# Altium PCB BoardB.PcbDoc (part 1 of 2)
Units mil, origin at the board's own origin, x right, y up, seen from the top; angles counter-clockwise.
Board outline 1511.25 x 1511.25 mil, 6 copper layers (1 Top (Sig/Pwr), 2 (GND), 3 (Sig/Pwr), 4 (GND/Sig), 5 (GND), 6 Bottom (Sig/Pwr)), stack 68.504 mil thick; 133 components, 105 nets, 647 pads, 439 vias.
Unrouted connection lines stored in the file: 226.
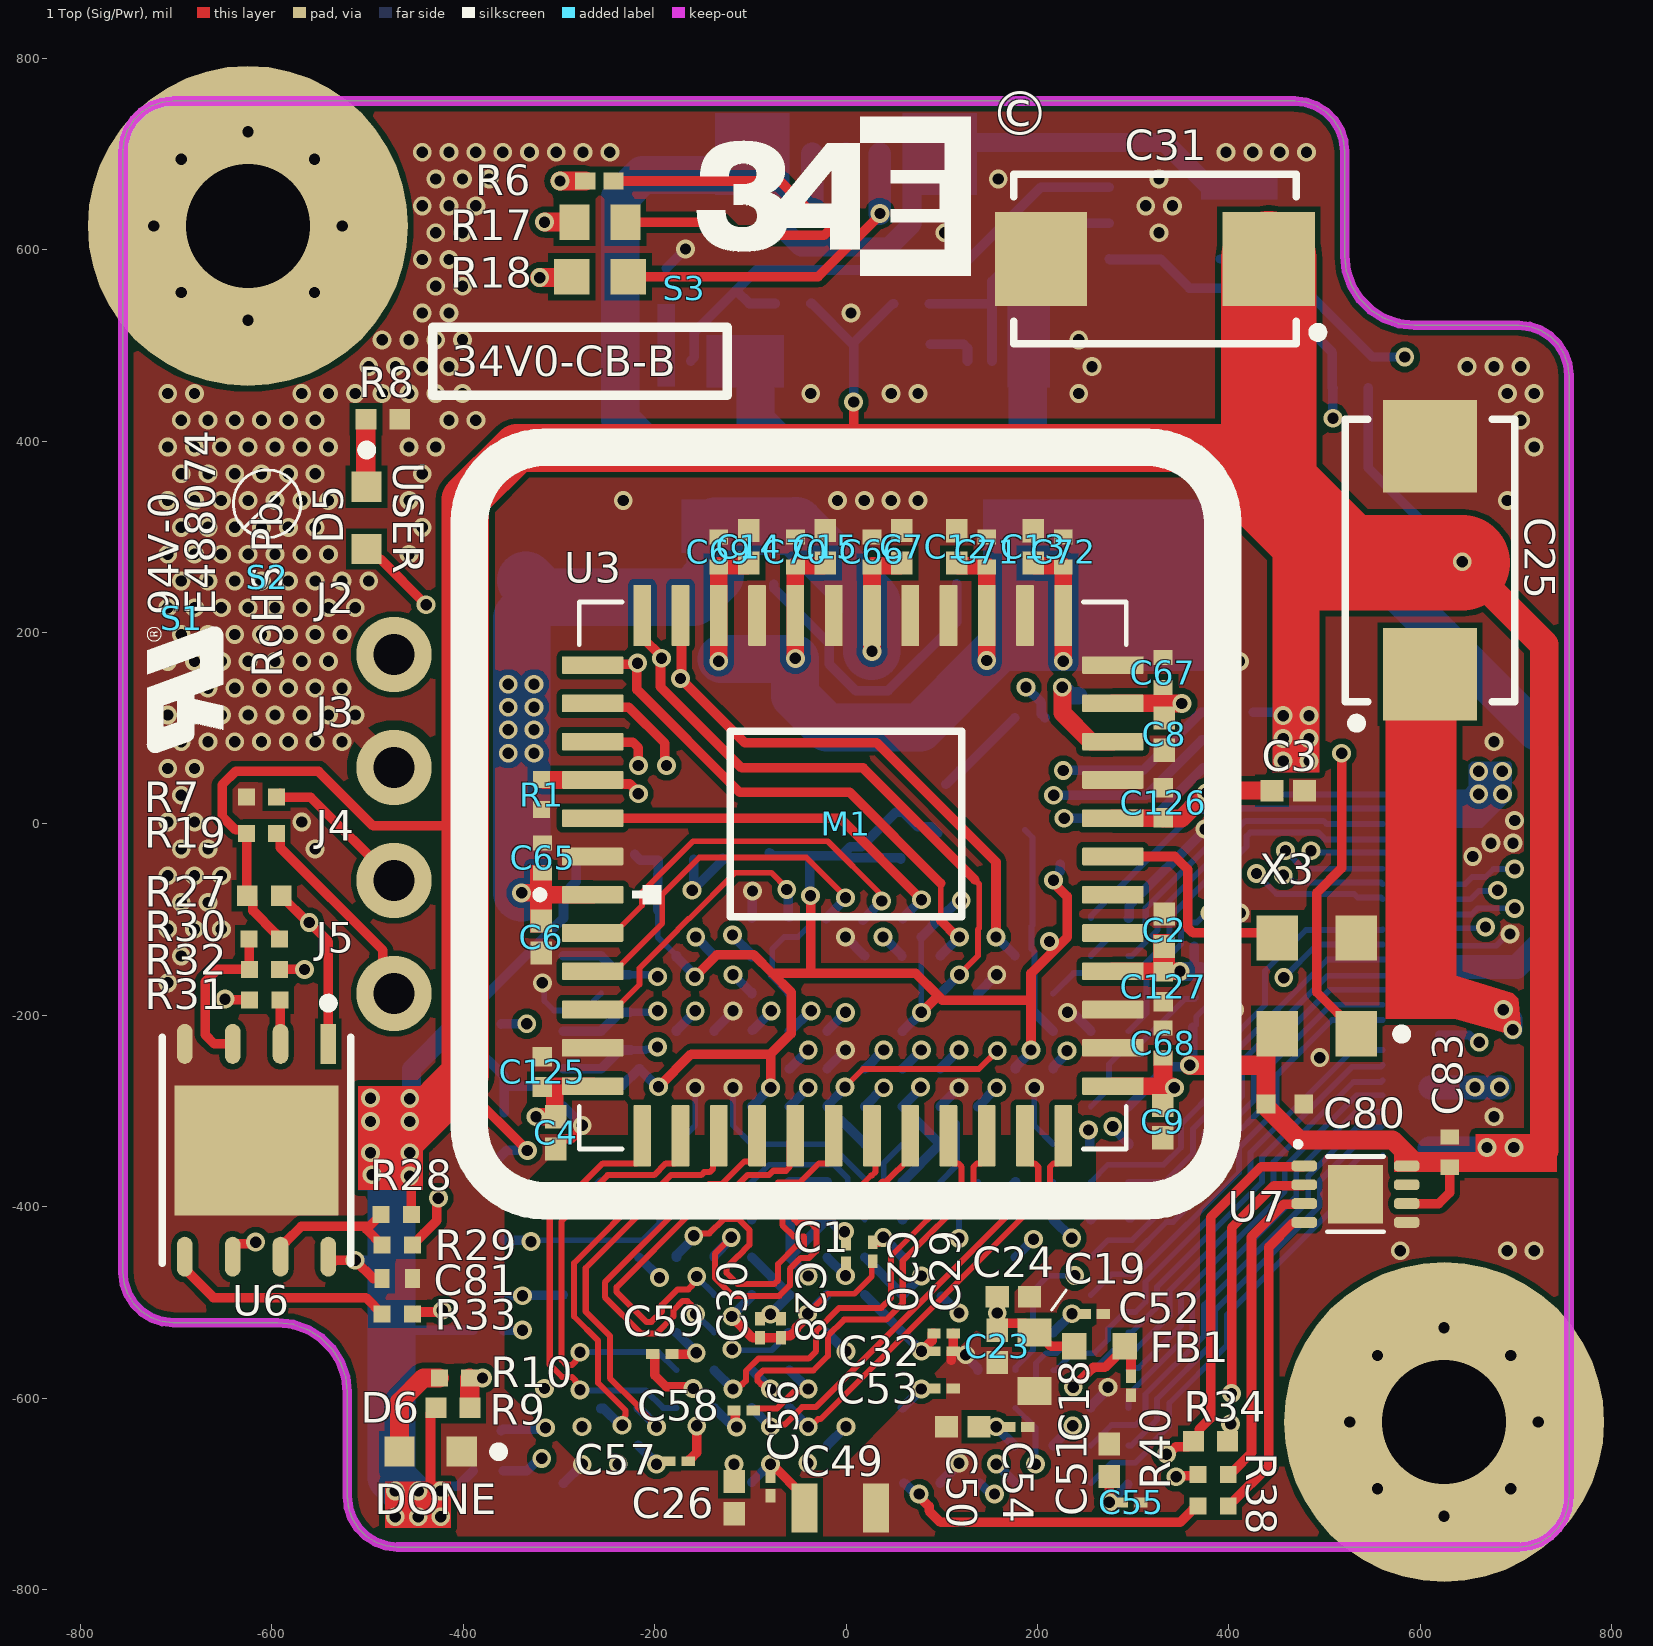
[diagram p0: 1 Top (Sig/Pwr) view]
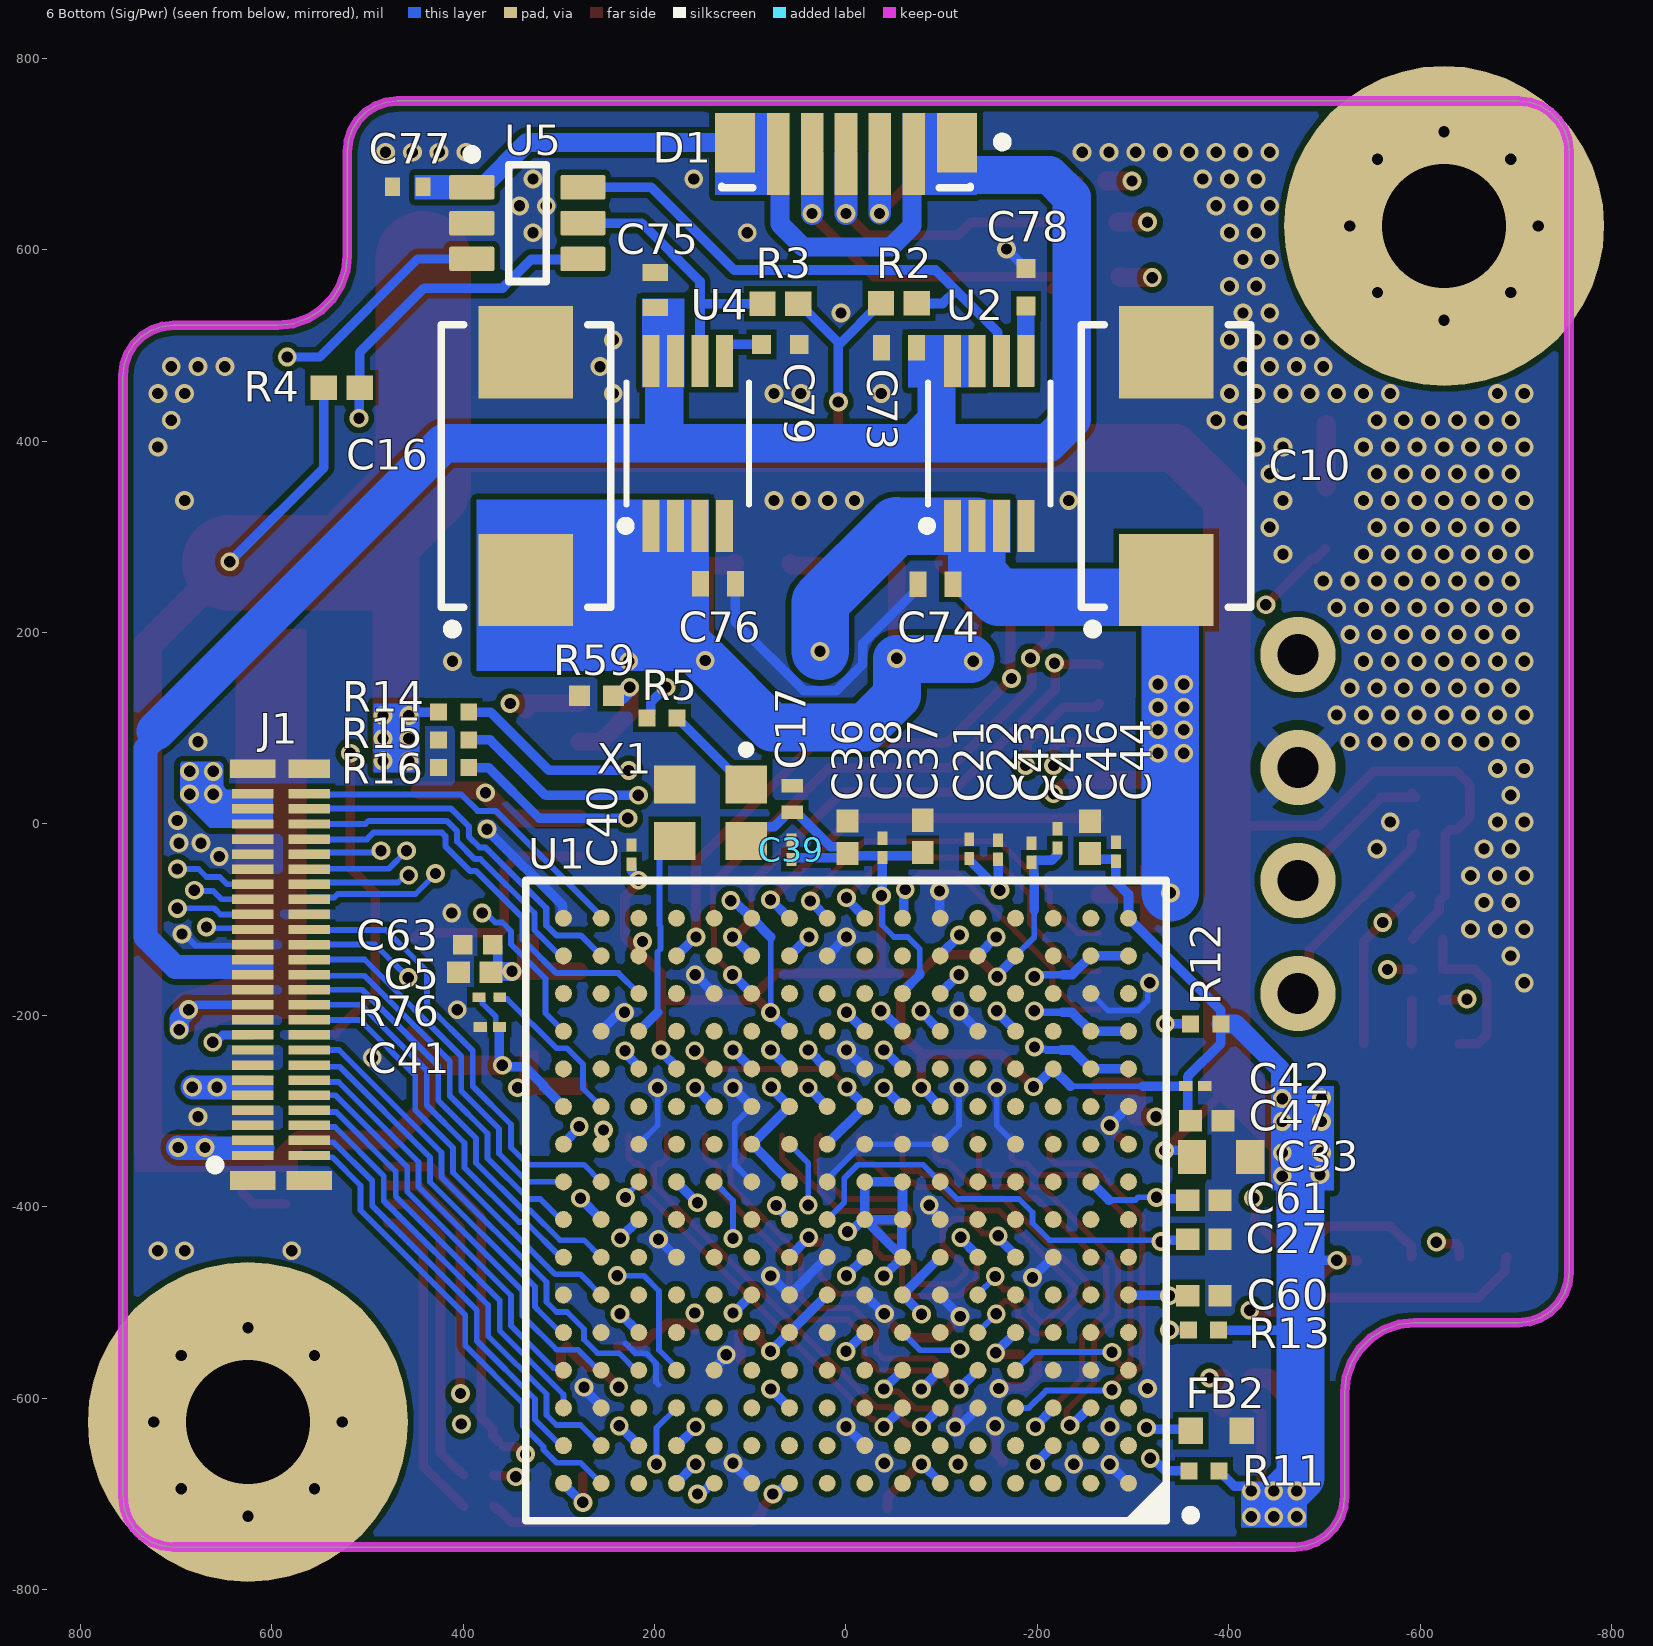
[diagram p1: 6 Bottom (Sig/Pwr) view, seen from below]
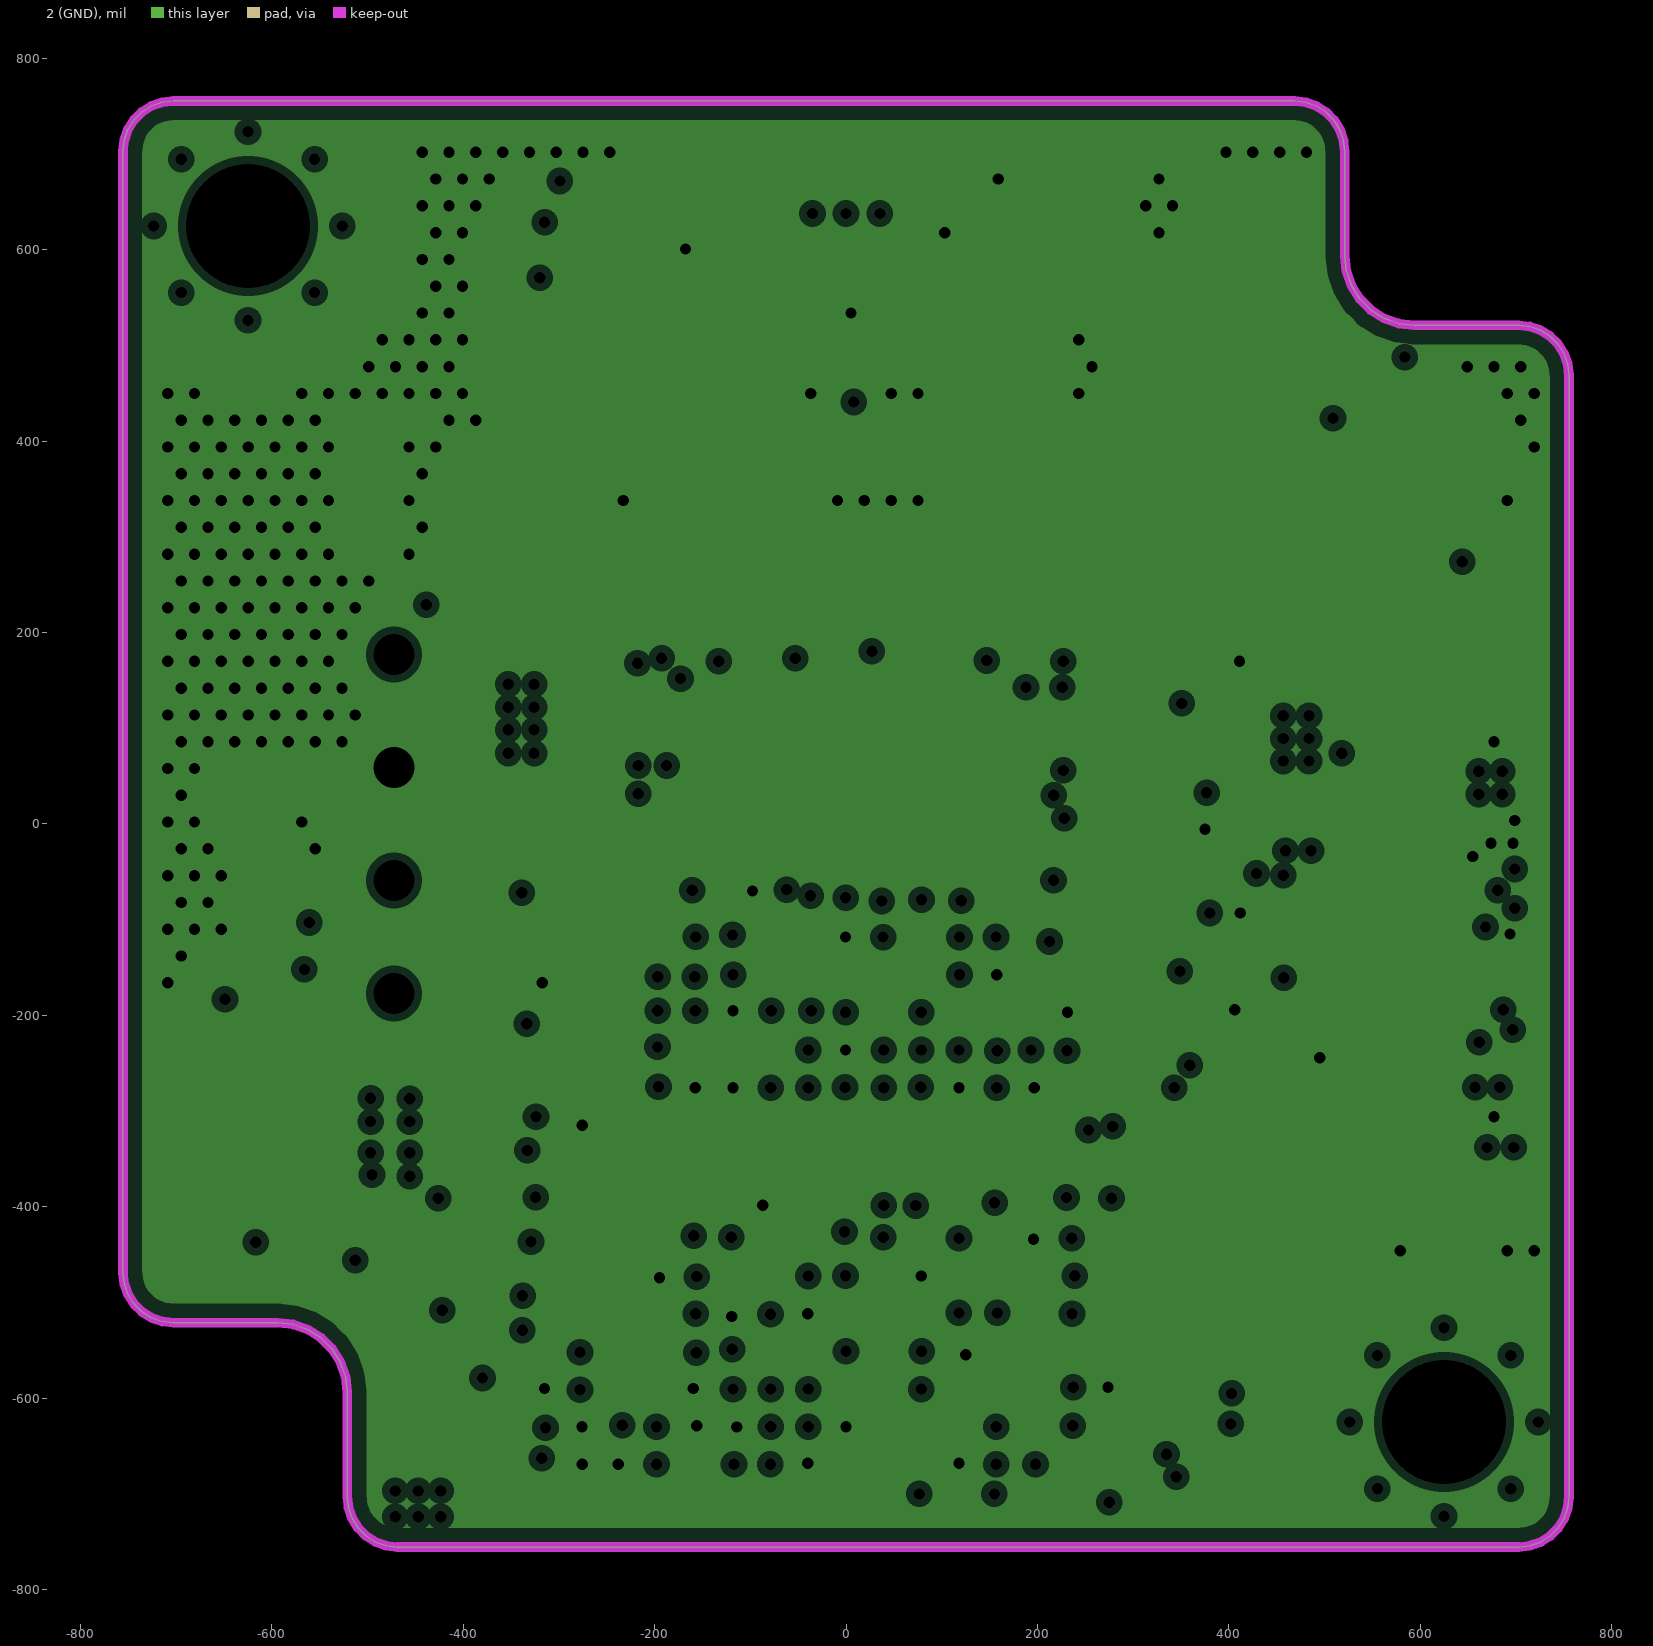
[diagram p2: 2 (GND), clearances drawn from the general rule]
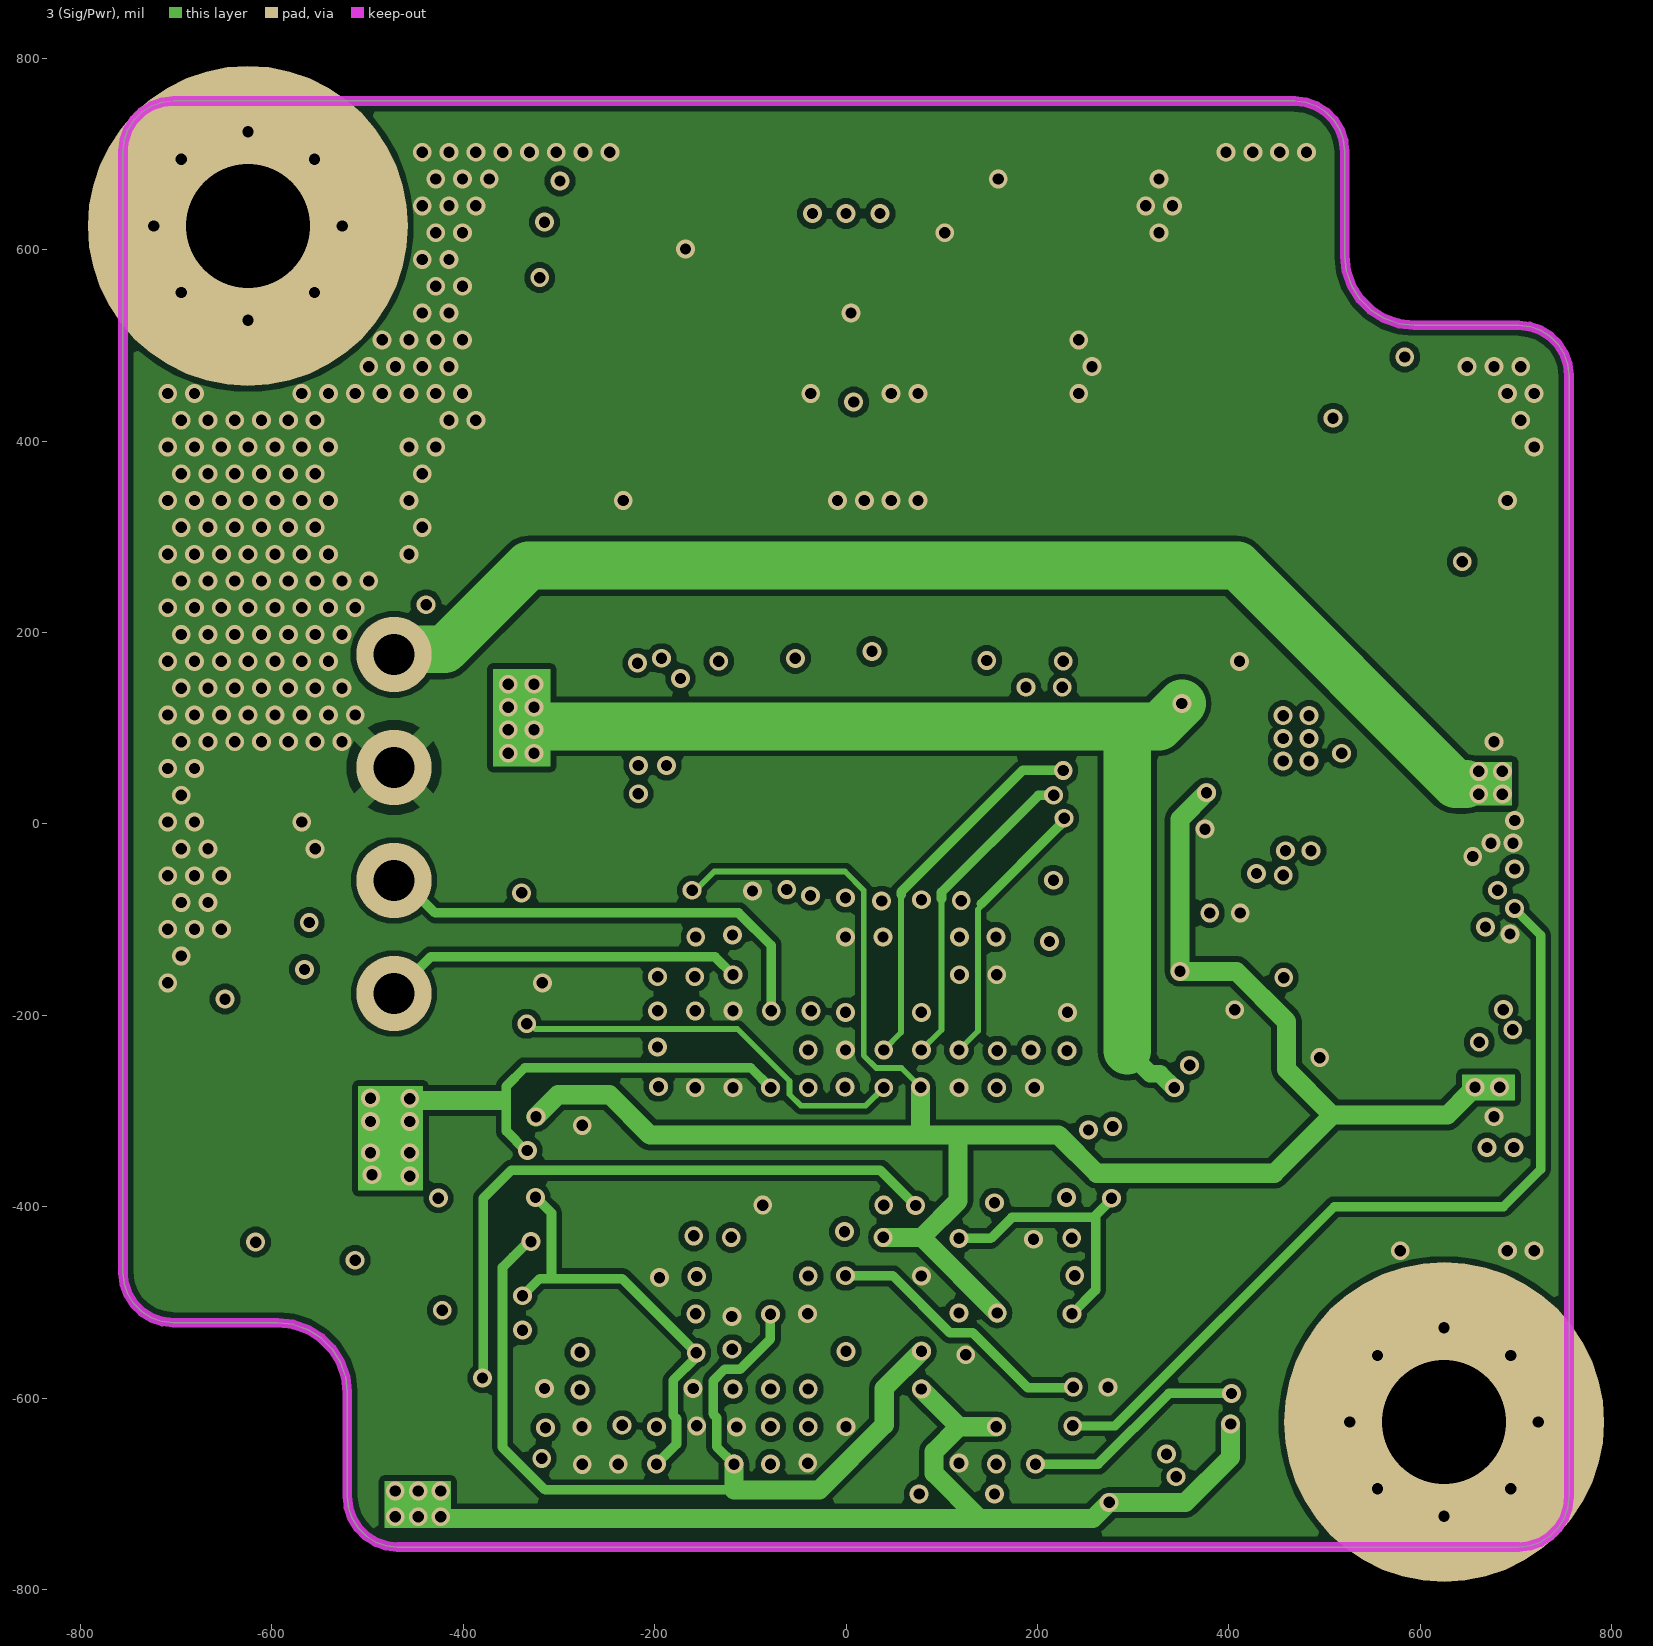
[diagram p3: 3 (Sig/Pwr)]
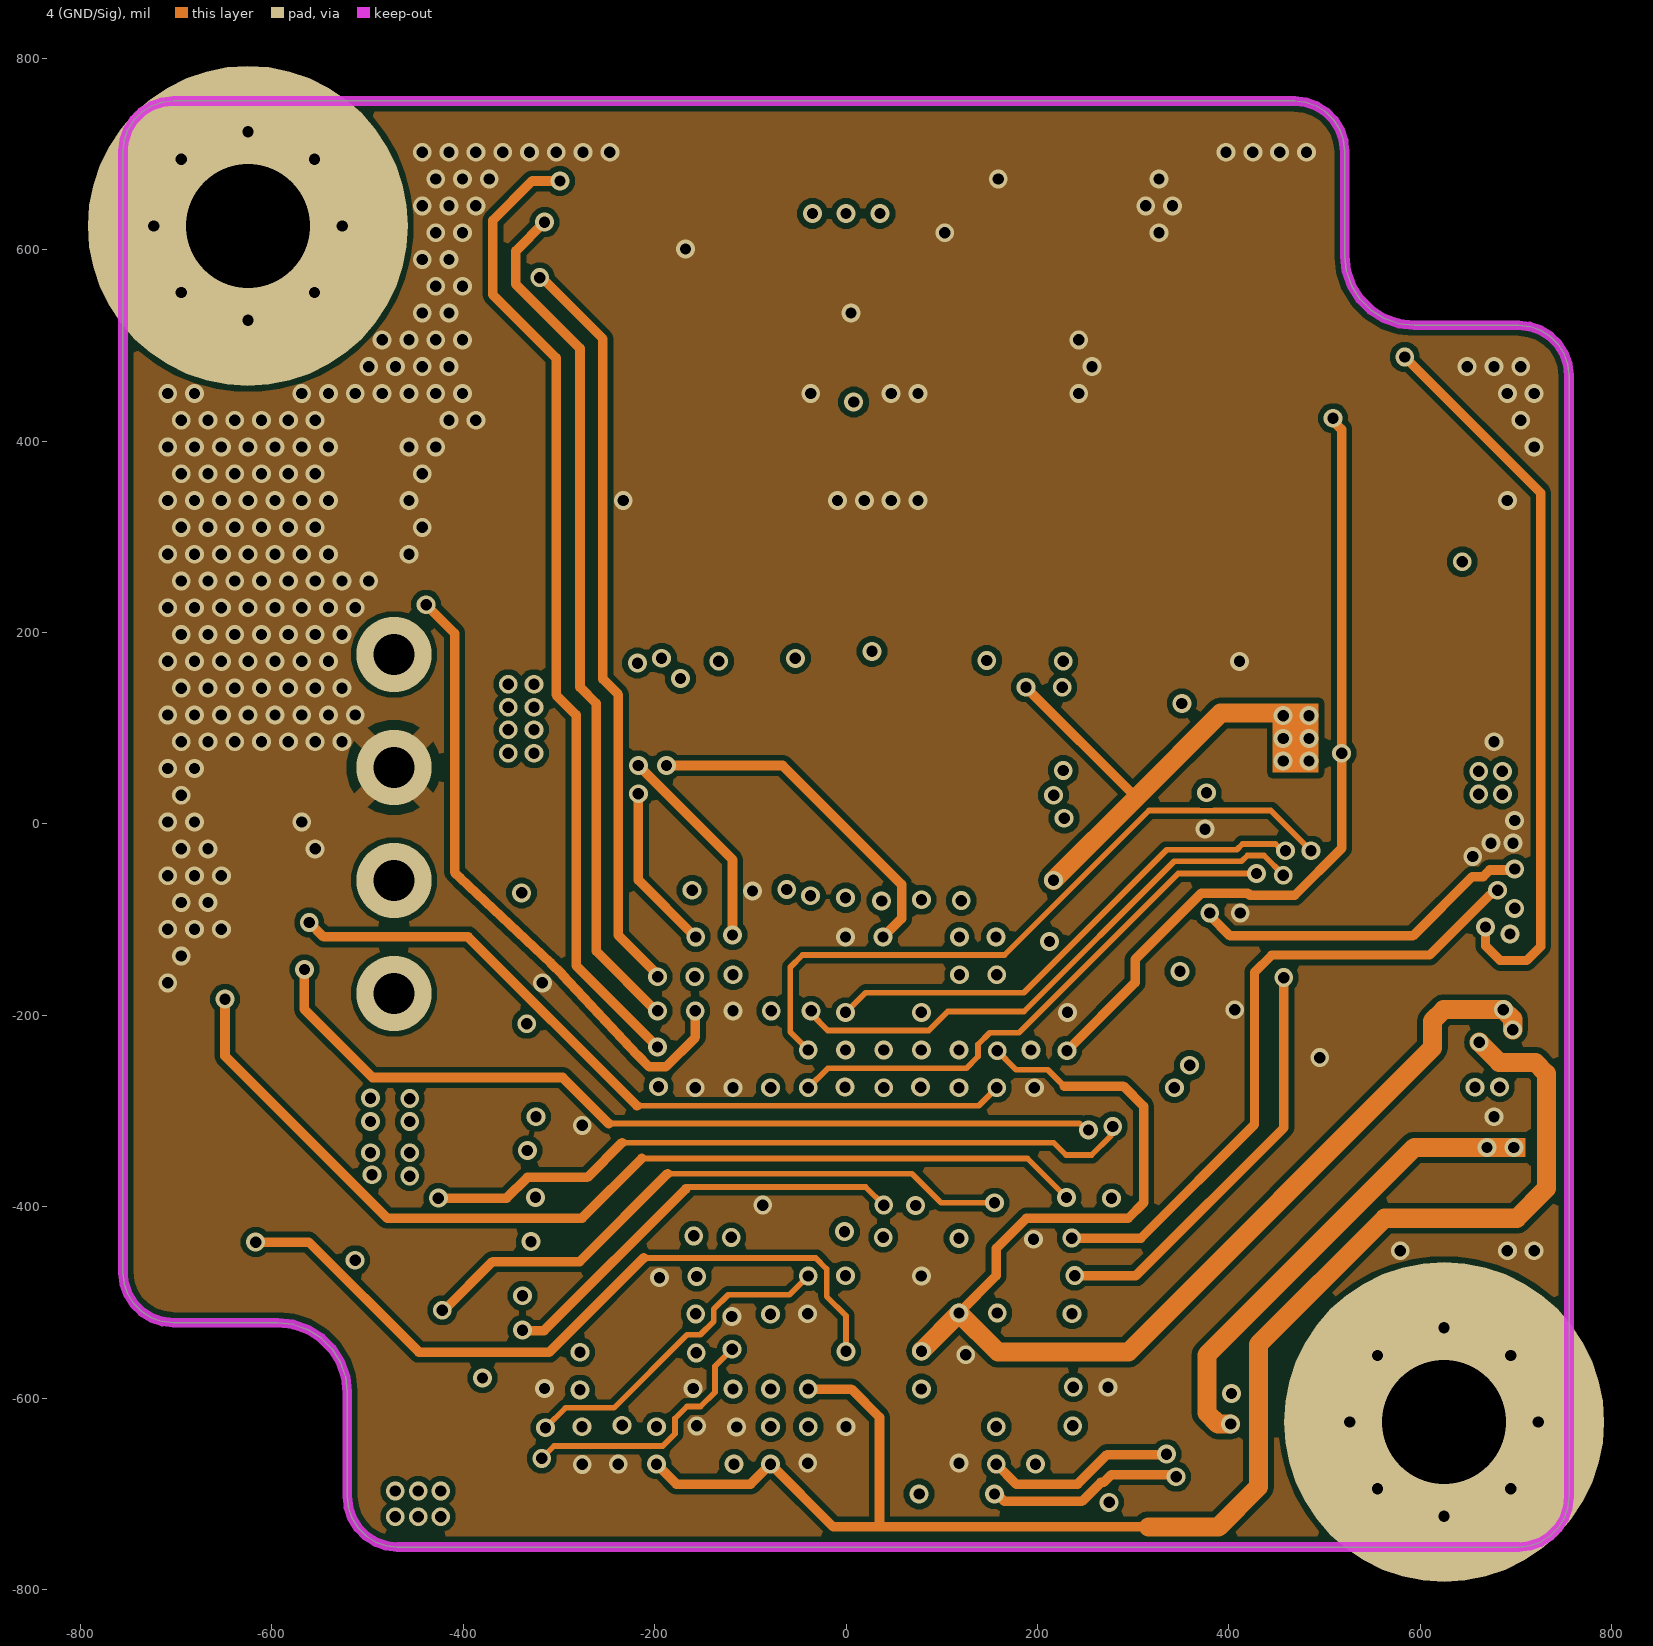
[diagram p4: 4 (GND/Sig)]